# KiCad board plz actually have soldermask.kicad_pcb (continued)
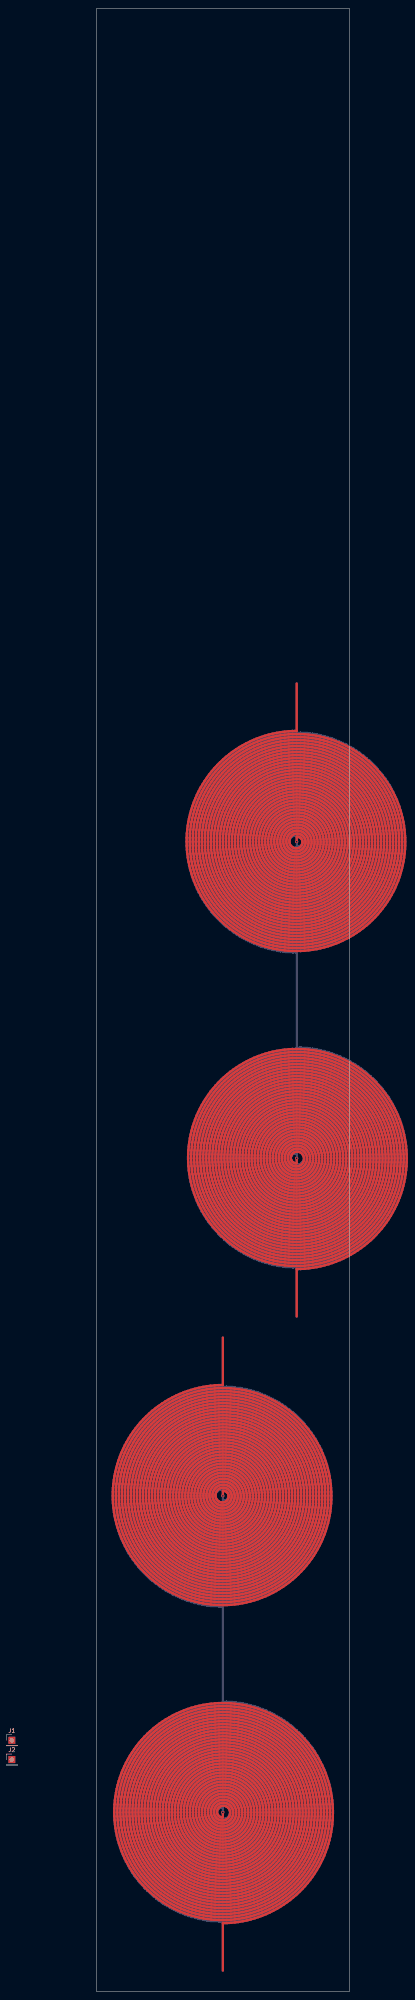
[diagram p0: board, top side]
## Routing (per net, layer and track width the routed paths; a pad name or vN(x,y) marks a point on that pad's centre or on a via; arc(x,y) is an arc through that point) (continued)
52.86,179.92 53.76,180.13 54.65,180.39 55.53,180.68 56.4,181.01 57.25,181.38 58.08,181.79 58.9,182.23 59.7,182.71 60.47,183.22 61.22,183.77 61.95,184.34 62.65,184.95 63.33,185.59 63.98,186.26 64.59,186.96 65.18,187.68 65.73,188.43 66.25,189.2 66.74,189.99 67.19,190.8 67.61,191.64 67.99,192.49 68.33,193.35 68.64,194.24 68.9,195.13 69.13,196.03 69.32,196.95 69.46,197.87 69.57,198.8 69.64,199.73 69.66,200.66 69.65,201.59 69.59,202.53 69.49,203.46 69.36,204.38 69.18,205.3 68.96,206.21 68.7,207.11 68.41,207.99 68.07,208.87 67.7,209.73 67.29,210.57 66.85,211.39 66.36,212.19 65.85,212.98 65.3,213.73 64.72,214.47 64.1,215.18 63.46,215.86 62.78,216.51 62.08,217.13 61.35,217.72 60.6,218.28 59.82,218.81 59.02,219.3 58.2,219.76 57.36,220.18 56.5,220.56 55.63,220.9 54.74,221.21 53.84,221.48 52.93,221.71 52,221.9 51.08,222.04 50.14,222.15 49.2,222.22 48.26,222.24 47.34,222.23 46.43,222.18 45.52,222.08 44.61,221.95 43.71,221.78 42.81,221.58 41.93,221.33 41.06,221.05 40.2,220.73 39.35,220.37 38.52,219.98 37.71,219.55 36.91,219.09 36.14,218.6 35.38,218.07 34.65,217.51 33.95,216.92 33.26,216.31 32.61,215.66 31.98,214.98 31.39,214.28 30.82,213.56 30.28,212.81 29.78,212.04 29.31,211.25 28.87,210.43 28.47,209.6 28.11,208.76 27.78,207.9 27.48,207.02 27.23,206.14 27.01,205.24 26.83,204.33 26.69,203.42 26.58,202.5 26.52,201.58 26.5,200.66 26.51,199.74 26.56,198.81 26.66,197.89 26.79,196.98 26.96,196.07 27.17,195.17 27.42,194.28 27.7,193.4 28.02,192.53 28.38,191.67 28.78,190.84 29.21,190.02 29.67,189.22 30.17,188.43 30.7,187.67 31.27,186.94 31.86,186.23 32.48,185.54 33.14,184.88 33.82,184.25 34.52,183.65 35.25,183.07 36.01,182.53 36.79,182.03 37.59,181.55 38.4,181.11 39.24,180.71 40.09,180.34 40.96,180 41.84,179.71 42.74,179.45 43.64,179.23 44.55,179.05 45.47,178.91 46.4,178.8 47.33,178.74 48.26,178.71 49.19,178.73 50.12,178.78 51.05,178.88 51.97,179.01 52.89,179.18 53.8,179.39 54.7,179.64 55.58,179.93 56.46,180.26 57.32,180.62 58.16,181.02 58.99,181.45 59.8,181.92 60.59,182.42 61.35,182.96 62.1,183.52 62.81,184.12 63.51,184.75 64.17,185.41 64.81,186.1 65.42,186.81 65.99,187.55 66.54,188.31 67.05,189.09 67.53,189.9 67.97,190.72 68.38,191.57 68.75,192.43 69.09,193.3 69.39,194.19 69.65,195.09 69.87,196 70.05,196.92 70.19,197.85 70.3,198.78 70.36,199.72 70.39,200.66 70.37,201.6 70.32,202.54 70.22,203.47 70.09,204.4 69.92,205.33 69.7,206.24 69.45,207.15 69.16,208.04 68.83,208.93 68.47,209.79 68.07,210.65 67.63,211.48 67.16,212.3 66.65,213.09 66.11,213.86 65.54,214.61 64.93,215.33 64.3,216.03 63.64,216.7 62.94,217.34 62.23,217.96 61.48,218.54 60.71,219.09 59.92,219.6 59.11,220.09 58.28,220.53 57.43,220.94 56.56,221.32 55.68,221.66 54.78,221.96 53.87,222.22 52.96,222.45 52.03,222.63 51.09,222.77 50.15,222.88 49.21,222.94 48.26,222.97 47.34,222.96 46.42,222.9 45.5,222.81 44.58,222.68 43.68,222.52 42.78,222.32 41.88,222.07 41,221.8 40.13,221.48 39.28,221.13 38.44,220.75 37.61,220.33 36.81,219.88 36.02,219.39 35.25,218.88 34.51,218.33 33.79,217.75 33.09,217.14 32.42,216.5 31.78,215.83 31.16,215.14 30.57,214.43 30.01,213.69 29.49,212.93 28.99,212.14 28.53,211.34 28.1,210.52 27.71,209.68 27.35,208.82 27.02,207.95 26.74,207.07 26.48,206.17 26.27,205.27 26.09,204.36 25.96,203.44 25.85,202.52 25.79,201.59 25.77,200.66 25.78,199.73 25.84,198.8 25.93,197.88 26.06,196.95 26.22,196.04 26.43,195.13 26.67,194.23 26.95,193.34 27.27,192.47 27.62,191.61 28.01,190.76 28.43,189.93 28.88,189.11 29.37,188.32 29.9,187.55 30.45,186.8 31.03,186.07 31.65,185.37 32.29,184.69 32.96,184.04 33.66,183.42 34.38,182.83 35.13,182.27 35.9,181.73 36.69,181.24 37.5,180.77 38.32,180.34 39.17,179.94 40.03,179.58 40.91,179.25 41.8,178.96 42.7,178.71 43.61,178.49 44.53,178.31 45.46,178.17 46.39,178.07 47.32,178.01 48.26,177.99 49.2,178 50.13,178.05 51.07,178.15 52,178.28 52.92,178.45 53.83,178.65 54.74,178.9 55.63,179.18 56.52,179.5 57.39,179.85 58.24,180.24 59.08,180.67 59.9,181.13 60.7,181.62 61.48,182.15 62.23,182.71 62.97,183.3 63.67,183.92 64.36,184.56 65.01,185.24 65.64,185.94 66.24,186.67 66.8,187.42 67.34,188.2 67.84,188.99 68.31,189.81 68.75,190.65 69.15,191.5 69.51,192.37 69.84,193.25 70.13,194.15 70.39,195.06 70.61,195.97 70.78,196.9 70.93,197.83 71.03,198.77 71.09,199.72 71.12,200.66 71.1,201.6 71.05,202.55 70.95,203.49 70.82,204.42 70.65,205.36 70.44,206.28 70.2,207.19 69.91,208.09 69.59,208.98 69.23,209.86 68.84,210.72 68.41,211.57 67.95,212.39 67.45,213.2 66.92,213.98 66.36,214.74 65.76,215.48 65.14,216.2 64.49,216.89 63.8,217.55 63.1,218.18 62.36,218.78 61.6,219.35 60.82,219.89 60.02,220.4 59.2,220.87 58.35,221.31 57.49,221.71 56.62,222.08 55.73,222.41 54.82,222.71 53.91,222.96 52.98,223.18 52.05,223.36 51.11,223.51 50.16,223.61 49.21,223.67 48.26,223.7 47.33,223.68 46.41,223.63 45.48,223.54 44.56,223.42 43.65,223.25 42.74,223.05 41.84,222.82 40.95,222.55 40.08,222.24 39.21,221.9 38.36,221.52 37.53,221.11 36.71,220.66 35.91,220.19 35.13,219.68 34.38,219.14 33.64,218.57 32.93,217.97 32.24,217.34 31.58,216.68 30.94,216 30.34,215.29 29.76,214.56 29.21,213.81 28.69,213.03 28.2,212.24 27.75,211.42 27.33,210.59 26.94,209.74 26.59,208.88 26.27,208 25.99,207.11 25.74,206.21 25.53,205.3 25.36,204.38 25.22,203.46 25.13,202.53 25.06,201.59 25.04,200.66 25.06,199.72 25.11,198.79 25.2,197.86 25.32,196.93 25.49,196.01 25.69,195.1 25.93,194.19 26.2,193.3 26.51,192.41 26.86,191.54 27.24,190.68 27.65,189.84 28.1,189.02 28.58,188.22 29.09,187.43 29.64,186.67 30.21,185.93 30.82,185.21 31.45,184.51 32.11,183.85 32.8,183.21 33.51,182.6 34.25,182.01 35.01,181.46 35.79,180.94 36.59,180.45 37.41,179.99 38.25,179.57 39.11,179.17 39.98,178.82 40.86,178.5 41.76,178.21 42.67,177.97 43.58,177.76 44.51,177.58 45.44,177.44 46.38,177.34 47.32,177.28 48.26,177.26 49.2,177.27 50.14,177.33 51.08,177.42 52.02,177.54 52.95,177.71 53.87,177.91 54.78,178.15 55.68,178.43 56.57,178.74 57.45,179.09 58.31,179.47 59.16,179.89 59.99,180.34 60.8,180.83 61.59,181.34 62.36,181.89 63.11,182.47 63.83,183.08 64.53,183.72 65.2,184.39 65.85,185.08 66.47,185.8 67.05,186.54 67.61,187.3 68.14,188.09 68.63,188.9 69.09,189.73 69.52,190.57 69.91,191.43 70.27,192.31 70.59,193.2 70.88,194.11 71.13,195.02 71.34,195.95 71.52,196.88 71.66,197.82 71.76,198.76 71.82,199.71 71.84,200.66 71.83,201.61 71.78,202.56 71.68,203.5 71.56,204.45 71.39,205.38 71.18,206.31 70.94,207.23 70.66,208.14 70.35,209.04 70,209.92 69.61,210.79 69.19,211.65 68.74,212.48 68.25,213.3 67.73,214.1 67.17,214.87 66.59,215.62 65.97,216.35 65.33,217.06 64.66,217.73 63.96,218.38 63.24,219.01 62.49,219.6 61.72,220.16 60.93,220.69 60.11,221.19 59.28,221.65 58.43,222.08 57.56,222.48 56.67,222.84 55.77,223.17 54.86,223.45 53.94,223.71 53.01,223.92 52.07,224.1 51.12,224.24 50.17,224.34 49.22,224.4 48.26,224.42 47.33,224.41 46.39,224.36 45.47,224.27 44.54,224.15 43.62,223.99 42.71,223.79 41.8,223.56 40.91,223.3 40.02,222.99 39.15,222.66 38.29,222.29 37.45,221.88 36.62,221.45 35.81,220.98 35.02,220.48 34.25,219.94 33.5,219.38 32.77,218.79 32.07,218.17 31.39,217.53 30.74,216.86 30.11,216.16 29.52,215.44 28.95,214.69 28.41,213.93 27.9,213.14 27.42,212.33 26.97,211.51 26.56,210.66 26.18,209.81 25.83,208.93 25.52,208.05 25.24,207.15 25,206.24 24.8,205.33 24.63,204.4 24.49,203.47 24.4,202.54 24.34,201.6 24.31,200.66 24.33,199.72 24.38,198.78 24.47,197.84 24.59,196.91 24.75,195.98 24.95,195.06 25.18,194.15 25.45,193.25 25.76,192.36 26.1,191.48 26.47,190.61 26.88,189.76 27.32,188.93 27.79,188.12 28.29,187.32 28.83,186.54 29.39,185.79 29.99,185.06 30.61,184.35 31.26,183.66 31.94,183.01 32.64,182.38 33.37,181.77 34.12,181.2 34.89,180.66 35.69,180.14 36.5,179.66 37.33,179.21 38.18,178.79 39.04,178.41 39.92,178.06 40.82,177.75 41.72,177.47 42.63,177.23 43.56,177.02 44.49,176.85 45.43,176.71 46.37,176.62 47.31,176.56 48.26,176.53 49.21,176.55 50.15,176.6 51.1,176.69 52.04,176.81 52.97,176.97 53.9,177.17 54.82,177.41 55.73,177.68 56.63,177.99 57.51,178.33 58.38,178.7 59.24,179.11 60.08,179.56 60.9,180.03 61.7,180.54 62.48,181.08 63.25,181.65 63.98,182.25 64.7,182.88 65.38,183.54 66.05,184.22 66.68,184.93 67.29,185.66 67.87,186.41 68.42,187.19 68.93,187.99 69.42,188.81 69.87,189.65 70.29,190.5 70.68,191.37 71.03,192.26 71.34,193.16 71.63,194.07 71.87,194.99 72.08,195.92 72.25,196.86 72.39,197.8 72.49,198.75 72.55,199.71 72.57,200.66 72.56,201.61 72.5,202.57 72.41,203.52 72.29,204.47 72.12,205.41 71.92,206.34 71.69,207.27 71.41,208.18 71.11,209.09 70.76,209.98 70.38,210.86 69.97,211.72 69.52,212.57 69.04,213.39 68.53,214.2 67.99,214.99 67.41,215.76 66.81,216.5 66.17,217.22 65.51,217.91 64.83,218.58 64.11,219.22 63.37,219.83 62.61,220.41 61.83,220.97 61.02,221.49 60.2,221.98 59.35,222.43 58.49,222.86 57.61,223.24 56.72,223.6 55.82,223.92 54.9,224.2 53.97,224.45 53.03,224.66 52.09,224.83 51.14,224.97 50.18,225.07 49.22,225.13 48.26,225.15 47.32,225.14 46.38,225.09 45.45,225 44.52,224.88 43.59,224.72 42.67,224.53 41.76,224.31 40.86,224.04 39.97,223.75 39.09,223.42 38.22,223.05 37.37,222.66 36.53,222.23 35.71,221.77 34.91,221.27 34.13,220.75 33.37,220.2 32.63,219.62 31.91,219.01 31.22,218.37 30.55,217.71 29.9,217.02 29.29,216.31 28.7,215.57 28.14,214.81 27.61,214.04 27.11,213.24 26.64,212.42 26.2,211.58 25.79,210.73 25.42,209.87 25.08,208.99 24.77,208.09 24.5,207.19 24.26,206.28 24.06,205.35 23.89,204.42 23.76,203.49 23.67,202.55 23.61,201.6 23.59,200.66 23.6,199.71 23.65,198.77 23.74,197.83 23.86,196.89 24.02,195.96 24.21,195.03 24.44,194.11 24.7,193.21 25,192.31 25.33,191.42 25.7,190.55 26.1,189.69 26.53,188.85 27,188.02 27.49,187.21 28.02,186.42 28.58,185.66 29.16,184.91 29.78,184.19 30.42,183.49 31.09,182.82 31.78,182.17 32.5,181.55 33.24,180.95 34,180.39 34.79,179.85 35.59,179.35 36.41,178.88 37.26,178.43 38.11,178.02 38.99,177.65 39.87,177.31 40.77,177 41.68,176.72 42.6,176.49 43.53,176.28 44.47,176.11 45.41,175.98 46.36,175.89 47.31,175.83 48.26,175.81 49.21,175.82 50.16,175.87 51.11,175.96 52.06,176.08 53,176.24 53.93,176.43 54.85,176.66 55.77,176.93 56.67,177.23 57.57,177.57 58.45,177.94 59.31,178.34 60.16,178.77 60.99,179.24 61.81,179.74 62.6,180.27 63.37,180.83 64.12,181.42 64.85,182.04 65.56,182.69 66.24,183.36 66.89,184.06 67.51,184.78 68.11,185.53 68.68,186.3 69.22,187.09 69.73,187.9 70.2,188.73 70.65,189.57 71.06,190.44 71.44,191.32 71.79,192.21 72.1,193.12 72.37,194.03 72.61,194.96 72.82,195.9 72.99,196.84 73.12,197.79 73.21,198.74 73.27,199.7 73.3,200.66 73.28,201.62 73.23,202.58 73.14,203.53 73.02,204.48 72.86,205.43 72.66,206.37 72.43,207.3 72.16,208.22 71.86,209.14 71.52,210.04 71.15,210.92 70.74,211.79 70.31,212.65 69.83,213.49 69.33,214.31 68.8,215.1 68.23,215.88 67.64,216.64 67.01,217.37 66.36,218.08 65.69,218.77 64.98,219.42 64.25,220.05 63.5,220.66 62.73,221.23 61.93,221.77 61.12,222.28 60.28,222.76 59.43,223.21 58.56,223.63 57.67,224.01 56.77,224.36 55.86,224.67 54.93,224.95 54,225.19 53.06,225.39 52.11,225.56 51.15,225.7 50.19,225.8 49.23,225.86 48.26,225.88 47.32,225.86 46.37,225.82 45.44,225.73 44.5,225.61 43.57,225.46 42.64,225.27 41.73,225.05 40.82,224.79 39.92,224.5 39.03,224.18 38.16,223.82 37.3,223.43 36.45,223.01 35.62,222.55 34.81,222.07 34.02,221.55 33.24,221.01 32.49,220.44 31.76,219.84 31.05,219.21 30.36,218.56 29.7,217.88 29.07,217.17 28.46,216.45 27.88,215.7 27.33,214.93 26.81,214.14 26.32,213.33 25.85,212.5 25.42,211.66 25.02,210.8 24.66,209.92 24.32,209.04 24.02,208.14 23.75,207.23 23.52,206.31 23.32,205.38 23.16,204.44 23.03,203.5 22.94,202.56 22.88,201.61 22.86,200.66 22.87,199.71 22.92,198.76 23.01,197.81 23.13,196.87 23.28,195.93 23.47,195 23.7,194.08 23.96,193.16 24.25,192.26 24.58,191.36 24.94,190.48 25.33,189.62 25.75,188.77 26.21,187.93 26.7,187.11 27.22,186.31 27.76,185.53 28.34,184.77 28.95,184.04 29.58,183.32 30.24,182.64 30.92,181.97 31.63,181.33 32.36,180.72 33.11,180.14 33.89,179.58 34.68,179.05 35.5,178.56 36.33,178.09 37.18,177.66 38.05,177.26 38.93,176.89 39.82,176.55 40.73,176.25 41.65,175.98 42.57,175.75 43.51,175.55 44.45,175.38 45.4,175.25 46.35,175.16 47.3,175.1 48.26,175.08 49.22,175.09 50.17,175.14 51.13,175.23 52.08,175.35 53.02,175.5 53.96,175.69 54.89,175.92 55.81,176.18 56.72,176.48 57.62,176.81 58.51,177.17 59.38,177.57 60.24,177.99 61.08,178.45 61.9,178.94 62.71,179.47 63.49,180.02 64.26,180.6 65,181.21 65.72,181.84 66.41,182.51 67.08,183.2 67.73,183.91 68.34,184.65 68.93,185.4 69.49,186.19 70.02,186.99 70.52,187.81 70.99,188.65 71.43,189.5 71.83,190.38 72.2,191.26 72.54,192.16 72.85,193.08 73.12,194 73.35,194.93 73.55,195.87 73.72,196.82 73.85,197.78 73.94,198.74 74,199.7 74.02,200.66 74.01,201.62 73.96,202.59 73.87,203.55 73.75,204.5 73.6,205.45 73.4,206.4 73.17,207.34 72.91,208.26 72.61,209.18 72.28,210.09 71.92,210.98 71.52,211.86 71.09,212.72 70.62,213.57 70.13,214.4 69.6,215.21 69.05,216 68.46,216.77 67.85,217.52 67.21,218.24 66.54,218.94 65.85,219.62 65.13,220.26 64.39,220.88 63.62,221.48 62.84,222.04 62.03,222.57 61.2,223.08 60.36,223.55 59.49,223.99 58.62,224.4 57.72,224.77 56.82,225.11 55.9,225.42 54.97,225.69 54.03,225.93 53.08,226.13 52.12,226.3 51.16,226.43 50.2,226.52 49.23,226.58 48.26,226.61 47.31,226.59 46.37,226.54 45.42,226.46 44.48,226.35 43.54,226.19 42.61,226.01 41.69,225.79 40.78,225.54 39.87,225.25 38.98,224.93 38.09,224.58 37.23,224.2 36.37,223.78 35.53,223.34 34.71,222.86 33.91,222.35 33.12,221.82 32.36,221.26 31.61,220.66 30.89,220.05 30.19,219.4 29.52,218.73 28.86,218.04 28.24,217.32 27.64,216.58 27.07,215.82 26.53,215.04 26.01,214.24 25.53,213.42 25.07,212.58 24.65,211.73 24.26,210.86 23.9,209.98 23.57,209.08 23.27,208.18 23.01,207.26 22.78,206.34 22.59,205.4 22.43,204.46 22.3,203.52 22.21,202.57 22.15,201.61 22.13,200.66 22.15,199.71 22.19,198.75 22.28,197.8 22.39,196.85 22.55,195.91 22.73,194.97 22.95,194.04 23.21,193.12 23.5,192.21 23.82,191.31 24.17,190.42 24.56,189.55 24.98,188.69 25.42,187.84 25.9,187.02 26.41,186.21 26.95,185.42 27.52,184.65 28.12,183.9 28.74,183.17 29.39,182.46 30.06,181.78 30.76,181.13 31.48,180.5 32.23,179.9 32.99,179.32 33.78,178.78 34.59,178.26 35.41,177.77 36.26,177.31 37.11,176.88 37.99,176.49 38.88,176.13 39.78,175.8 40.69,175.5 41.61,175.24 42.55,175.01 43.49,174.81 44.43,174.65 45.38,174.52 46.34,174.43 47.3,174.37 48.26,174.35 49.22,174.36 50.18,174.41 51.14,174.5 52.09,174.62 53.04,174.77 53.99,174.96 54.92,175.18 55.85,175.43 56.77,175.72 57.67,176.05 58.57,176.4 59.45,176.79 60.31,177.21 61.16,177.67 62,178.15 62.81,178.66 63.61,179.21 64.39,179.78 65.14,180.38 65.87,181 66.58,181.66 67.27,182.34 67.93,183.04 68.56,183.77 69.17,184.52 69.75,185.29 70.3,186.08 70.82,186.89 71.31,187.72 71.77,188.57 72.2,189.44 72.6,190.32 72.96,191.21 73.3,192.12 73.59,193.04 73.86,193.97 74.09,194.91 74.29,195.85 74.45,196.81 74.58,197.76 74.67,198.73 74.73,199.69 74.75,200.66 74.74,201.63 74.69,202.59 74.6,203.56 74.48,204.52 74.33,205.48 74.14,206.43 73.92,207.37 73.66,208.3 73.37,209.23 73.04,210.14 72.68,211.04 72.29,211.93 71.87,212.8 71.41,213.65 70.93,214.49 70.41,215.31 69.86,216.12 69.29,216.9 68.68,217.66 68.05,218.39 67.39,219.11 66.71,219.8 66,220.46 65.27,221.1 64.51,221.71 63.74,222.29 62.94,222.85 62.12,223.37 61.28,223.87 60.43,224.33 59.56,224.76 58.67,225.16 57.77,225.53 56.86,225.87 55.93,226.17 55,226.44 54.05,226.67 53.1,226.87 52.14,227.03 51.18,227.16 50.21,227.25 49.23,227.31 48.26,227.33 48.26,250.19 47.29,250.21 46.31,250.27 45.34,250.36 44.38,250.49 43.42,250.65 42.47,250.85 41.52,251.08 40.59,251.35 39.66,251.65 38.75,251.99 37.85,252.36 36.96,252.76 36.09,253.19 35.24,253.65 34.4,254.15 33.58,254.67 32.78,255.23 32.01,255.81 31.25,256.42 30.52,257.06 29.81,257.72 29.13,258.41 28.47,259.13 27.84,259.86 27.23,260.62 26.66,261.4 26.11,262.21 25.59,263.03 25.11,263.87 24.65,264.72 24.23,265.59 23.84,266.48 23.48,267.38 23.15,268.29 22.86,269.22 22.6,270.15 22.38,271.09 22.19,272.04 22.04,273 21.92,273.96 21.83,274.93 21.78,275.89 21.77,276.86 21.79,277.83 21.85,278.79 21.94,279.76 22.07,280.71 22.23,281.67 22.43,282.61 22.66,283.55 22.93,284.48 23.22,285.4 23.56,286.31 23.92,287.2 24.32,288.08 24.75,288.95 25.21,289.8 25.7,290.63 26.22,291.44 26.77,292.23 27.35,293 27.96,293.75 28.59,294.48 29.25,295.18 29.94,295.86 30.65,296.52 31.38,297.14 32.13,297.74 32.91,298.31 33.71,298.86 34.52,299.37 35.36,299.85 36.21,300.31 37.07,300.73 37.95,301.12 38.85,301.47 39.75,301.8 40.67,302.09 41.6,302.34 42.53,302.56 43.48,302.75 44.43,302.9 45.38,303.02 46.34,303.11 47.3,303.16 48.26,303.17 49.22,303.15 50.18,303.09 51.14,303 52.09,302.87 53.03,302.71 53.97,302.51 54.91,302.28 55.83,302.02 56.74,301.72 57.64,301.39 58.53,301.03 59.41,300.64 60.26,300.21 61.11,299.75 61.93,299.26 62.74,298.74 63.53,298.2 64.29,297.62 65.04,297.02 65.76,296.39 66.46,295.74 67.13,295.06 67.78,294.35 68.4,293.62 69,292.87 69.57,292.1 70.11,291.31 70.62,290.5 71.1,289.68 71.54,288.83 71.96,287.97 72.35,287.1 72.7,286.21 73.02,285.31 73.31,284.4 73.57,283.48 73.79,282.55 73.97,281.61 74.13,280.67 74.24,279.72 74.33,278.77 74.37,277.81 74.39,276.86 74.37,275.91 74.31,274.95 74.22,274 74.09,273.06 73.93,272.12 73.74,271.18 73.51,270.26 73.25,269.34 72.95,268.44 72.62,267.54 72.26,266.66 71.87,265.79 71.45,264.94 70.99,264.1 70.51,263.28 69.99,262.48 69.45,261.7 68.88,260.94 68.28,260.2 67.66,259.48 67,258.79 66.33,258.12 65.63,257.47 64.91,256.86 64.16,256.26 63.4,255.7 62.61,255.17 61.81,254.66 60.99,254.18 60.15,253.74 59.29,253.32 58.43,252.94 57.54,252.59 56.65,252.27 55.74,251.98 54.83,251.73 53.91,251.51 52.98,251.33 52.04,251.17 51.1,251.06 50.15,250.98 49.21,250.93 48.26,250.92 47.29,250.94 46.32,251 45.36,251.09 44.4,251.22 43.44,251.39 42.49,251.59 41.55,251.83 40.62,252.1 39.7,252.41 38.8,252.75 37.9,253.12 37.03,253.53 36.16,253.97 35.32,254.44 34.49,254.95 33.68,255.48 32.9,256.04 32.13,256.64 31.39,257.26 30.67,257.9 29.98,258.58 29.31,259.28 28.67,260 28.06,260.75 27.47,261.52 26.92,262.31 26.39,263.12 25.9,263.95 25.43,264.8 25,265.66 24.6,266.54 24.24,267.43 23.91,268.34 23.61,269.26 23.35,270.18 23.12,271.12 22.92,272.07 22.77,273.02 22.65,273.97 22.56,274.93 22.51,275.9 22.5,276.86 22.52,277.82 22.58,278.78 22.67,279.74 22.8,280.7 22.97,281.65 23.17,282.59 23.4,283.52 23.67,284.44 23.98,285.36 24.32,286.26 24.69,287.14 25.09,288.02 25.53,288.87 26,289.71 26.5,290.53 27.03,291.33 27.59,292.12 28.18,292.87 28.79,293.61 29.44,294.32 30.11,295.01 30.8,295.68 31.52,296.31 32.26,296.92 33.03,297.5 33.81,298.05 34.62,298.58 35.44,299.07 36.28,299.53 37.14,299.95 38.01,300.35 38.9,300.71 39.8,301.04 40.71,301.34 41.63,301.6 42.56,301.83 43.5,302.02 44.44,302.17 45.39,302.29 46.35,302.38 47.3,302.43 48.26,302.44 49.22,302.42 50.17,302.36 51.12,302.27 52.07,302.14 53.01,301.97 53.95,301.77 54.87,301.54 55.79,301.27 56.7,300.97 57.59,300.63 58.47,300.26 59.34,299.86 60.19,299.43 61.02,298.96 61.84,298.47 62.63,297.94 63.41,297.38 64.16,296.8 64.89,296.19 65.6,295.55 66.28,294.88 66.94,294.2 67.57,293.48 68.18,292.75 68.76,291.99 69.3,291.21 69.82,290.41 70.31,289.59 70.77,288.75 71.19,287.9 71.58,287.04 71.94,286.16 72.27,285.26 72.56,284.36 72.82,283.44 73.05,282.52 73.24,281.59 73.39,280.65 73.51,279.71 73.6,278.76 73.65,277.81 73.66,276.86 73.64,275.91 73.58,274.96 73.49,274.02 73.36,273.08 73.2,272.14 73,271.21 72.77,270.29 72.5,269.38 72.2,268.48 71.86,267.6 71.5,266.72 71.1,265.86 70.67,265.02 70.2,264.19 69.71,263.38 69.19,262.59 68.64,261.82 68.06,261.07 67.45,260.35 66.82,259.64 66.16,258.96 65.47,258.31 64.76,257.68 64.03,257.08 63.28,256.51 62.5,255.97 61.71,255.45 60.9,254.97 60.07,254.51 59.22,254.09 58.36,253.7 57.49,253.34 56.6,253.02 55.7,252.73 54.79,252.47 53.88,252.25 52.95,252.06 52.02,251.91 51.08,251.79 50.15,251.7 49.2,251.66 48.26,251.64 47.29,251.66 46.33,251.72 45.37,251.82 44.41,251.96 43.46,252.13 42.52,252.33 41.59,252.57 40.66,252.85 39.75,253.16 38.85,253.51 37.96,253.89 37.09,254.31 36.24,254.76 35.4,255.24 34.59,255.75 33.79,256.29 33.02,256.86 32.27,257.47 31.54,258.1 30.83,258.75 30.16,259.44 29.51,260.15 28.88,260.88 28.29,261.64 27.72,262.42 27.19,263.21 26.69,264.03 26.21,264.87 25.78,265.73 25.37,266.6 25,267.48 24.66,268.38 24.36,269.3 24.09,270.22 23.86,271.15 23.66,272.09 23.5,273.04 23.38,273.99 23.29,274.94 23.24,275.9 23.22,276.86 23.25,277.82 23.31,278.78 23.4,279.73 23.53,280.68 23.7,281.62 23.91,282.56 24.15,283.49 24.42,284.4 24.73,285.31 25.08,286.2 25.46,287.08 25.87,287.95 26.32,288.79 26.79,289.62 27.3,290.43 27.84,291.22 28.41,291.99 29.01,292.74 29.63,293.46 30.28,294.16 30.96,294.83 31.67,295.48 32.4,296.1 33.15,296.69 33.92,297.25 34.71,297.78 35.53,298.28 36.36,298.75 37.21,299.18 38.07,299.58 38.95,299.95 39.85,300.29 40.75,300.59 41.67,300.86 42.59,301.09 43.52,301.28 44.46,301.44 45.41,301.56 46.36,301.65 47.31,301.7 48.26,301.71 49.21,301.69 50.16,301.63 51.11,301.54 52.05,301.41 52.99,301.24 53.92,301.03 54.84,300.8 55.75,300.52 56.65,300.21 57.53,299.87 58.41,299.5 59.26,299.09 60.11,298.64 60.93,298.17 61.73,297.67 62.52,297.13 63.28,296.57 64.02,295.97 64.74,295.35 65.43,294.7 66.1,294.03 66.74,293.33 67.36,292.61 67.94,291.86 68.5,291.1 69.03,290.31 69.52,289.5 69.99,288.67 70.42,287.83 70.82,286.97 71.19,286.1 71.52,285.21 71.82,284.31 72.08,283.41 72.31,282.49 72.5,281.56 72.66,280.63 72.78,279.69 72.87,278.75 72.92,277.81 72.93,276.86 72.91,275.92 72.85,274.97 72.76,274.03 72.63,273.1 72.46,272.17 72.26,271.24 72.02,270.33 71.75,269.43 71.44,268.53 71.1,267.65 70.73,266.79 70.32,265.94 69.88,265.1 69.41,264.28 68.91,263.48 68.38,262.71 67.82,261.95 67.23,261.21 66.62,260.5 65.97,259.81 65.3,259.15 64.61,258.51 63.89,257.9 63.15,257.32 62.39,256.77 61.61,256.25 60.81,255.75 59.99,255.29 59.15,254.86 58.3,254.47 57.43,254.1 56.55,253.77 55.66,253.48 54.76,253.21 53.85,252.99 52.93,252.8 52,252.64 51.07,252.52 50.14,252.43 49.2,252.38 48.26,252.37 47.3,252.39 46.34,252.45 45.38,252.55 44.43,252.69 43.49,252.86 42.55,253.07 41.62,253.32 40.7,253.6 39.8,253.92 38.91,254.28 38.03,254.66 37.17,255.09 36.32,255.54 35.5,256.03 34.69,256.55 33.91,257.11 33.15,257.69 32.41,258.3 31.69,258.94 31.01,259.61 30.35,260.3 29.71,261.02 29.11,261.76 28.53,262.53 27.99,263.32 27.48,264.13 27,264.95 26.55,265.8 26.14,266.66 25.76,267.54 25.41,268.43 25.11,269.34 24.83,270.25 24.6,271.18 24.4,272.11 24.23,273.05 24.11,274 24.02,274.95 23.96,275.91 23.95,276.86 23.97,277.81 24.03,278.77 24.13,279.72 24.27,280.66 24.44,281.6 24.65,282.53 24.89,283.45 25.18,284.36 25.49,285.26 25.84,286.15 26.23,287.02 26.65,287.87 27.1,288.71 27.59,289.53 28.1,290.33 28.65,291.11 29.23,291.86 29.84,292.59 30.47,293.3 31.14,293.98 31.82,294.64 32.54,295.27 33.27,295.87 34.04,296.44 34.82,296.98 35.62,297.49 36.44,297.96 37.28,298.41 38.14,298.82 39.01,299.19 39.89,299.53 40.79,299.84 41.7,300.11 42.62,300.35 43.55,300.55 44.48,300.71 45.42,300.83 46.37,300.92 47.31,300.97 48.26,300.99 49.21,300.96 50.15,300.9 51.09,300.81 52.03,300.67 52.96,300.5 53.89,300.29 54.8,300.05 55.7,299.77 56.6,299.46 57.48,299.11 58.34,298.73 59.19,298.31 60.02,297.86 60.83,297.38 61.63,296.86 62.4,296.32 63.15,295.75 63.88,295.14 64.58,294.51 65.26,293.86 65.91,293.17 66.53,292.46 67.13,291.73 67.69,290.98 68.23,290.2 68.73,289.4 69.2,288.59 69.64,287.76 70.05,286.91 70.42,286.04 70.76,285.16 71.07,284.27 71.34,283.37 71.57,282.46 71.77,281.54 71.93,280.61 72.05,279.68 72.14,278.74 72.19,277.8 72.21,276.86 72.18,275.92 72.12,274.98 72.03,274.05 71.89,273.12 71.72,272.19 71.52,271.28 71.28,270.37 71,269.47 70.69,268.59 70.34,267.71 69.96,266.86 69.55,266.01 69.1,265.19 68.62,264.38 68.11,263.59 67.57,262.83 67,262.08 66.41,261.36 65.78,260.66 65.13,259.99 64.45,259.35 63.75,258.73 63.02,258.14 62.27,257.58 61.5,257.04 60.71,256.54 59.9,256.07 59.07,255.64 58.23,255.23 57.37,254.86 56.5,254.53 55.61,254.22 54.72,253.96 53.81,253.73 52.9,253.53 51.98,253.37 51.05,253.25 50.13,253.16 49.19,253.11 48.26,253.1 47.3,253.12 46.35,253.18 45.4,253.28 44.45,253.42 43.51,253.6 42.58,253.81 41.66,254.07 40.75,254.35 39.85,254.68 38.96,255.04 38.09,255.44 37.24,255.87 36.41,256.33 35.59,256.83 34.8,257.36 34.03,257.92 33.28,258.51 32.56,259.14 31.86,259.79 31.19,260.46 30.55,261.17 29.93,261.9 29.35,262.65 28.79,263.42 28.27,264.22 27.78,265.04 27.33,265.87 26.91,266.73 26.52,267.6 26.17,268.48 25.86,269.38 25.58,270.29 25.34,271.21 25.13,272.14 24.96,273.07 24.84,274.02 24.74,274.96 24.69,275.91 24.68,276.86 24.7,277.81 24.76,278.76 24.86,279.7 25,280.64 25.18,281.57 25.39,282.5 25.64,283.41 25.93,284.32 26.25,285.21 26.61,286.09 27,286.95 27.43,287.79 27.89,288.62 28.38,289.43 28.91,290.22 29.47,290.98 30.05,291.72 30.67,292.44 31.32,293.13 31.99,293.8 32.69,294.44 33.41,295.05 34.16,295.63 34.93,296.18 35.72,296.69 36.53,297.18 37.36,297.63 38.21,298.05 39.07,298.43 39.95,298.78 40.84,299.09 41.74,299.37 42.65,299.61 43.57,299.81 44.5,299.98 45.44,300.1 46.38,300.19 47.32,300.25 48.26,300.26 49.2,300.24 50.14,300.18 51.08,300.08 52.01,299.94 52.94,299.76 53.85,299.55 54.76,299.31 55.66,299.02 56.54,298.7 57.41,298.35 58.27,297.95 59.11,297.53 59.93,297.07 60.73,296.58 61.51,296.06 62.27,295.51 63.01,294.92 63.72,294.31 64.41,293.67 65.07,293.01 65.7,292.31 66.31,291.59 66.88,290.85 67.43,290.09 67.94,289.3 68.42,288.5 68.87,287.68 69.28,286.84 69.66,285.98 70.01,285.11 70.32,284.22 70.59,283.33 70.83,282.42 71.03,281.51 71.2,280.59 71.32,279.66 71.41,278.73 71.46,277.8 71.48,276.86 71.46,275.93 71.39,274.99 71.3,274.06 71.16,273.14 70.99,272.22 70.78,271.31 70.53,270.41 70.25,269.52 69.93,268.64 69.58,267.78 69.19,266.93 68.77,266.1 68.32,265.28 67.83,264.49 67.31,263.71 66.76,262.96 66.18,262.23 65.58,261.52 64.94,260.84 64.28,260.18 63.59,259.55 62.88,258.95 62.14,258.38 61.39,257.84 60.61,257.33 59.81,256.86 58.99,256.41 58.16,256 57.31,255.62 56.44,255.28 55.57,254.97 54.68,254.7 53.78,254.47 52.87,254.27 51.96,254.1 51.04,253.98 50.11,253.89 49.19,253.84 48.26,253.82 47.31,253.85 46.36,253.91 45.41,254.01 44.47,254.16 43.54,254.34 42.61,254.56 41.7,254.81 40.79,255.11 39.9,255.44 39.03,255.81 38.17,256.21 37.32,256.65 36.5,257.12 35.7,257.63 34.92,258.17 34.16,258.74 33.42,259.34 32.72,259.97 32.03,260.63 31.38,261.32 30.76,262.04 30.16,262.78 29.6,263.54 29.07,264.32 28.57,265.13 28.11,265.95 27.68,266.8 27.29,267.66 26.93,268.54 26.61,269.43 26.32,270.33 26.08,271.24 25.87,272.16 25.7,273.1 25.57,274.03 25.47,274.97 25.42,275.92 25.4,276.86 25.43,277.8 25.49,278.75 25.59,279.69 25.74,280.62 25.91,281.55 26.13,282.46 26.39,283.37 26.68,284.27 27.01,285.15 27.37,286.02 27.77,286.87 28.21,287.71 28.68,288.53 29.18,289.32 29.72,290.1 30.28,290.85 30.88,291.58 31.51,292.28 32.16,292.96 32.85,293.6 33.55,294.22 34.29,294.81 35.04,295.37 35.82,295.9 36.62,296.39 37.44,296.85 38.28,297.28 39.13,297.67 40,298.02 40.89,298.34 41.78,298.62 42.69,298.87 43.6,299.07 44.52,299.24 45.45,299.37 46.39,299.47 47.32,299.52 48.26,299.53 49.2,299.51 50.13,299.45 51.06,299.35 51.99,299.21 52.91,299.03 53.82,298.81 54.72,298.56 55.61,298.27 56.49,297.94 57.35,297.58 58.2,297.18 59.02,296.75 59.83,296.28 60.62,295.79 61.39,295.25 62.14,294.69 62.86,294.1 63.56,293.48 64.23,292.83 64.87,292.15 65.49,291.45 66.07,290.72 66.62,289.97 67.15,289.2 67.64,288.41 68.09,287.59 68.51,286.76 68.9,285.91 69.25,285.05 69.57,284.18 69.85,283.29 70.09,282.39 70.3,281.48 70.46,280.57 70.59,279.64 70.68,278.72 70.74,277.79 70.75,276.86 70.73,275.93 70.67,275 70.56,274.08 70.43,273.16 70.25,272.25 70.04,271.35 69.78,270.45 69.5,269.57 69.17,268.7 68.81,267.84 68.42,267 67.99,266.18 67.53,265.38 67.03,264.59 66.51,263.83 65.95,263.09 65.36,262.38 64.74,261.69 64.1,261.02 63.43,260.38 62.73,259.77 62.01,259.19 61.27,258.64 60.5,258.13 59.71,257.64 58.91,257.19 58.08,256.77 57.24,256.39 56.39,256.04 55.52,255.72 54.64,255.45 53.74,255.2 52.84,255 51.94,254.84 51.02,254.71 50.1,254.62 49.18,254.56 48.26,254.55 47.31,254.58 46.37,254.64 45.43,254.75 44.49,254.89 43.56,255.07 42.65,255.3 41.74,255.56 40.84,255.86 39.96,256.2 39.09,256.58 38.24,256.99 37.41,257.43 36.6,257.92 35.81,258.43 35.04,258.98 34.29,259.56 33.58,260.18 32.88,260.82 32.22,261.49 31.59,262.19 30.98,262.91 30.41,263.66 29.87,264.43 29.36,265.22 28.89,266.04 28.45,266.87 28.05,267.73 27.69,268.59 27.36,269.48 27.07,270.37 26.82,271.28 26.6,272.19 26.43,273.12 26.3,274.05 26.2,274.98 26.15,275.92 26.13,276.86 26.16,277.8 26.22,278.74 26.33,279.67 26.47,280.6 26.65,281.52 26.87,282.43 27.13,283.33 27.43,284.22 27.77,285.09 28.14,285.95 28.55,286.8 28.99,287.62 29.47,288.43 29.98,289.21 30.53,289.97 31.1,290.71 31.71,291.42 32.35,292.11 33.01,292.77 33.71,293.4 34.42,294 35.17,294.56 35.93,295.1 36.72,295.6 37.53,296.07 38.36,296.5 39.2,296.9 40.06,297.26 40.94,297.59 41.82,297.88 42.72,298.13 43.63,298.34 44.55,298.51 45.47,298.64 46.4,298.74 47.33,298.79 48.26,298.81 49.19,298.78 50.12,298.72 51.05,298.61 51.97,298.47 52.88,298.29 53.78,298.07 54.68,297.81 55.56,297.52 56.43,297.18 57.28,296.81 58.12,296.41 58.93,295.97 59.73,295.49 60.51,294.99 61.27,294.45 62,293.87 62.7,293.27 63.38,292.64 64.04,291.98 64.66,291.29 65.25,290.58 65.82,289.85 66.35,289.09 66.85,288.3 67.31,287.5 67.74,286.68 68.14,285.85 68.5,284.99 68.82,284.12 69.1,283.24 69.35,282.35 69.56,281.45 69.73,280.54 69.86,279.63 69.96,278.71 70.01,277.78 70.02,276.86 70,275.94 69.94,275.02 69.83,274.1 69.69,273.19 69.51,272.28 69.29,271.38 69.04,270.5 68.74,269.62 68.41,268.76 68.05,267.92 67.65,267.09 67.21,266.27 66.74,265.48 66.24,264.71 65.7,263.96 65.13,263.24 64.54,262.54 63.91,261.86 63.26,261.21 62.57,260.6 61.87,260.01 61.14,259.45 60.38,258.92 59.61,258.43 58.81,257.97 58,257.54 57.17,257.15 56.32,256.79 55.46,256.47 54.59,256.19 53.71,255.94 52.81,255.74 51.91,255.57 51,255.44 50.09,255.34 49.18,255.29 48.26,255.28 47.32,255.3 46.38,255.37 45.44,255.48 44.52,255.62 43.59,255.81 42.68,256.04 41.78,256.31 40.89,256.62 40.02,256.96 39.16,257.34 38.32,257.76 37.5,258.22 36.7,258.71 35.92,259.24 35.17,259.8 34.44,260.39 33.74,261.01 33.06,261.66 32.42,262.34 31.8,263.05 31.22,263.79 30.67,264.54 30.16,265.33 29.67,266.13 29.23,266.95 28.82,267.79 28.45,268.65 28.11,269.53 27.82,270.41 27.56,271.31 27.34,272.22 27.16,273.14 27.03,274.06 26.93,274.99 26.87,275.93 26.86,276.86 26.88,277.79 26.95,278.72 27.06,279.65 27.2,280.57 27.39,281.49 27.62,282.39 27.88,283.28 28.19,284.17 28.53,285.03 28.91,285.88 29.33,286.72 29.78,287.53 30.27,288.32 30.79,289.09 31.34,289.84 31.93,290.56 32.54,291.26 33.19,291.93 33.87,292.57 34.57,293.18 35.3,293.75 36.05,294.3 36.82,294.81 37.62,295.29 38.44,295.73 39.27,296.14 40.12,296.51 40.99,296.84 41.87,297.13 42.76,297.39 43.66,297.6 44.57,297.78 45.49,297.91 46.41,298.01 47.33,298.06 48.26,298.08 49.19,298.05 50.11,297.99 51.03,297.88 51.94,297.74 52.85,297.55 53.74,297.33 54.63,297.06 55.5,296.76 56.36,296.42 57.21,296.05 58.03,295.63 58.84,295.18 59.63,294.7 60.39,294.18 61.13,293.63 61.85,293.05 62.54,292.44 63.2,291.8 63.83,291.13 64.44,290.43 65.01,289.71 65.55,288.97 66.06,288.2 66.53,287.41 66.97,286.6 67.37,285.77 67.74,284.93 68.07,284.07 68.36,283.2 68.61,282.31 68.82,281.42 69,280.52 69.13,279.61 69.23,278.69 69.28,277.78 69.3,276.86 69.27,275.94 69.21,275.03 69.1,274.12 68.96,273.21 68.77,272.31 68.55,271.42 68.29,270.54 67.99,269.68 67.65,268.83 67.28,267.99 66.87,267.17 66.43,266.37 65.95,265.59 65.44,264.83 64.89,264.1 64.31,263.39 63.71,262.71 63.07,262.05 62.41,261.42 61.72,260.82 61,260.25 60.26,259.72 59.5,259.21 58.72,258.75 57.92,258.31 57.1,257.91 56.26,257.55 55.41,257.22 54.54,256.94 53.67,256.69 52.78,256.47 51.89,256.3 50.98,256.17 50.08,256.07 49.17,256.02 48.26,256 47.32,256.03 46.39,256.1 45.46,256.21 44.54,256.36 43.62,256.55 42.72,256.79 41.83,257.06 40.95,257.37 40.08,257.73 39.23,258.12 38.4,258.54 37.59,259.01 36.81,259.51 36.04,260.05 35.31,260.62 34.59,261.22 33.91,261.85 33.25,262.51 32.63,263.2 32.04,263.92 31.48,264.67 30.95,265.43 30.46,266.22 30,267.04 29.59,267.87 29.21,268.72 28.87,269.58 28.56,270.46 28.3,271.35 28.08,272.25 27.9,273.16 27.76,274.08 27.66,275.01 27.6,275.93 27.59,276.86 27.61,277.79 27.68,278.71 27.79,279.63 27.94,280.55 28.13,281.45 28.36,282.35 28.63,283.24 28.94,284.11 29.29,284.97 29.68,285.81 30.1,286.63 30.57,287.43 31.06,288.21 31.59,288.97 32.16,289.7 32.75,290.41 33.38,291.09 34.04,291.74 34.72,292.35 35.43,292.94 36.17,293.5 36.93,294.02 37.72,294.51 38.52,294.96 39.35,295.37 40.19,295.75 41.04,296.08 41.92,296.38 42.8,296.64 43.69,296.86 44.6,297.04 45.51,297.18 46.42,297.28 47.34,297.34 48.26,297.35 49.18,297.33 50.1,297.26 51.01,297.15 51.92,297 52.81,296.81 53.7,296.58 54.58,296.31 55.45,296.01 56.3,295.66 57.13,295.28 57.94,294.86 58.74,294.4 59.51,293.91 60.26,293.38 60.99,292.82 61.69,292.23 62.36,291.61 63,290.96 63.62,290.28 64.2,289.57 64.75,288.84 65.27,288.09 65.75,287.31 66.2,286.51 66.61,285.7 66.98,284.86 67.31,284.01 67.61,283.15 67.87,282.27 68.09,281.39 68.26,280.49 68.4,279.59 68.5,278.68 68.56,277.77 68.57,276.86 68.55,275.95 68.48,275.04 68.37,274.14 68.22,273.24 68.04,272.35 67.81,271.46 67.54,270.59 67.24,269.74 66.89,268.9 66.51,268.07 66.1,267.26 65.64,266.47 65.15,265.71 64.63,264.96 64.08,264.25 63.49,263.55 62.88,262.89 62.23,262.25 61.56,261.64 60.86,261.06 60.13,260.52 59.39,260 58.62,259.53 57.83,259.08 57.02,258.68 56.19,258.31 55.35,257.98 54.49,257.68 53.62,257.43 52.74,257.21 51.86,257.03 50.96,256.9 50.07,256.8 49.16,256.75 48.26,256.73 47.33,256.76 46.4,256.83 45.48,256.94 44.57,257.09 43.66,257.29 42.76,257.53 41.88,257.81 41,258.13 40.15,258.49 39.31,258.89 38.49,259.33 37.7,259.8 36.92,260.31 36.17,260.86 35.45,261.44 34.76,262.05 34.09,262.69 33.46,263.36 32.85,264.07 32.28,264.79 31.75,265.55 31.25,266.33 30.78,267.12 30.36,267.94 29.97,268.78 29.62,269.64 29.31,270.51 29.04,271.39 28.82,272.29 28.63,273.19 28.49,274.1 28.39,275.02 28.33,275.94 28.31,276.86 28.34,277.78 28.41,278.7 28.52,279.61 28.67,280.52 28.87,281.42 29.11,282.31 29.38,283.19 29.7,284.05 30.06,284.9 30.45,285.73 30.89,286.54 31.36,287.33 31.86,288.09 32.4,288.84 32.98,289.55 33.58,290.24 34.22,290.9 34.89,291.53 35.58,292.13 36.3,292.69 37.05,293.22 37.82,293.72 38.61,294.18 39.43,294.6 40.26,294.99 41.1,295.33 41.97,295.64 42.84,295.9 43.73,296.13 44.62,296.31 45.53,296.45 46.44,296.55 47.35,296.61 48.26,296.63 49.17,296.6 50.08,296.53 50.99,296.42 51.89,296.27 52.78,296.07 53.66,295.84 54.53,295.57 55.38,295.25 56.22,294.9 57.05,294.51 57.85,294.08 58.63,293.61 59.39,293.11 60.13,292.57 60.84,292 61.52,291.4 62.17,290.77 62.8,290.11 63.39,289.42 63.95,288.71 64.47,287.97 64.96,287.2 65.42,286.42 65.84,285.61 66.22,284.79 66.56,283.95 66.86,283.1 67.13,282.23 67.35,281.35 67.53,280.46 67.67,279.57 67.77,278.67 67.83,277.76 67.84,276.86 67.82,275.96 67.75,275.05 67.64,274.16 67.49,273.27 67.3,272.38 67.07,271.51 66.79,270.65 66.48,269.8 66.13,268.97 65.74,268.15 65.32,267.36 64.86,266.58 64.36,265.83 63.83,265.1 63.26,264.4 62.67,263.72 62.04,263.08 61.39,262.46 60.71,261.87 60,261.32 59.26,260.8 58.51,260.31 57.73,259.86 56.93,259.44 56.12,259.07 55.28,258.73 54.44,258.43 53.58,258.17 52.71,257.95 51.83,257.77 50.94,257.63 50.05,257.53 49.16,257.47 48.26,257.46 47.34,257.49 46.42,257.56 45.5,257.67 44.59,257.83 43.69,258.03 42.8,258.28 41.93,258.56 41.07,258.89 40.22,259.26 39.39,259.66 38.59,260.11 37.81,260.59 37.05,261.11 36.31,261.67 35.61,262.26 34.93,262.88 34.29,263.54 33.67,264.22 33.09,264.93 32.55,265.67 32.04,266.43 31.56,267.22 31.13,268.03 30.73,268.86 30.38,269.7 30.06,270.56 29.79,271.44 29.55,272.32 29.37,273.22 29.22,274.12 29.12,275.03 29.06,275.95 29.04,276.86 29.07,277.77 29.14,278.69 29.25,279.59 29.41,280.49 29.61,281.38 29.85,282.27 30.13,283.13 30.46,283.99 30.82,284.82 31.23,285.64 31.67,286.44 32.15,287.22 32.66,287.97 33.21,288.69 33.8,289.39 34.41,290.06 35.06,290.7 35.74,291.31 36.44,291.89 37.18,292.43 37.93,292.93 38.71,293.4 39.51,293.83 40.33,294.22 41.17,294.58 42.02,294.89 42.89,295.16 43.77,295.39 44.65,295.58 45.55,295.72 46.45,295.82 47.35,295.88 48.26,295.9 49.17,295.87 50.07,295.8 50.97,295.69 51.86,295.53 52.74,295.34 53.61,295.1 54.47,294.81 55.32,294.49 56.15,294.13 56.96,293.73 57.75,293.3 58.52,292.82 59.26,292.31 59.98,291.76 60.67,291.19 61.34,290.58 61.97,289.93 62.57,289.26 63.14,288.56 63.68,287.84 64.18,287.09 64.64,286.32 65.07,285.53 65.46,284.71 65.81,283.88 66.12,283.04 66.38,282.18 66.61,281.31 66.8,280.43 66.94,279.55 67.04,278.65 67.1,277.76 67.12,276.86 67.09,275.96 67.02,275.07 66.91,274.18 66.75,273.3 66.56,272.42 66.32,271.56 66.04,270.71 65.73,269.87 65.37,269.05 64.97,268.24 64.54,267.46 64.07,266.7 63.56,265.96 63.02,265.25 62.45,264.57 61.84,263.91 61.21,263.28 60.54,262.68 59.85,262.12 59.13,261.59 58.39,261.09 57.63,260.63 56.84,260.21 56.04,259.83 55.22,259.48 54.38,259.18 53.53,258.91 52.67,258.68 51.8,258.5 50.92,258.36 50.04,258.26 49.15,258.2 48.26,258.19 47.34,258.21 46.43,258.29 45.52,258.4 44.62,258.57 43.73,258.77 42.85,259.02 41.98,259.31 41.13,259.65 40.3,260.02 39.48,260.44 38.69,260.9 37.92,261.39 37.18,261.92 36.46,262.49 35.78,263.09 35.12,263.72 34.49,264.38 33.9,265.08 33.35,265.8 32.83,266.55 32.34,267.32 31.9,268.12 31.5,268.93 31.13,269.77 30.81,270.62 30.53,271.48 30.29,272.36 30.1,273.25 29.95,274.14 29.84,275.05 29.78,275.95 29.77,276.86 29.79,277.77 29.87,278.67 29.98,279.57 30.14,280.46 30.35,281.35 30.6,282.22 30.89,283.08 31.22,283.92 31.59,284.75 32,285.55 32.45,286.34 32.94,287.1 33.47,287.83 34.03,288.54 34.62,289.22 35.25,289.87 35.91,290.49 36.59,291.08 37.31,291.63 38.05,292.14 38.81,292.62 39.6,293.06 40.41,293.46 41.24,293.82 42.08,294.14 42.93,294.42 43.8,294.65 44.68,294.84 45.57,294.99 46.46,295.09 47.36,295.16 48.26,295.17 49.16,295.14 50.05,295.07 50.94,294.96 51.83,294.8 52.7,294.6 53.57,294.35 54.42,294.06 55.25,293.74 56.07,293.37 56.87,292.96 57.64,292.51 58.4,292.03 59.12,291.51 59.83,290.95 60.5,290.36 61.14,289.74 61.76,289.09 62.34,288.41 62.88,287.7 63.39,286.97 63.86,286.21 64.3,285.43 64.7,284.63 65.05,283.82 65.37,282.98 65.64,282.13 65.87,281.27 66.06,280.4 66.21,279.52 66.31,278.64 66.37,277.75 66.39,276.86 66.36,275.97 66.29,275.08 66.18,274.2 66.02,273.33 65.82,272.46 65.58,271.61 65.29,270.77 64.97,269.94 64.6,269.13 64.2,268.34 63.76,267.57 63.28,266.83 62.76,266.1 62.21,265.41 61.63,264.74 61.02,264.1 60.37,263.5 59.7,262.92 59,262.38 58.27,261.88 57.52,261.41 56.75,260.98 55.96,260.59 55.15,260.24 54.32,259.92 53.48,259.65 52.63,259.42 51.77,259.23 50.9,259.09 50.02,258.99 49.14,258.93 48.26,258.91 47.35,258.94 46.45,259.02 45.54,259.14 44.65,259.3 43.77,259.51 42.9,259.77 42.04,260.07 41.2,260.41 40.38,260.79 39.58,261.22 38.8,261.68 38.05,262.19 37.32,262.73 36.62,263.3 35.96,263.92 35.32,264.56 34.72,265.23 34.15,265.94 33.62,266.67 33.13,267.43 32.67,268.21 32.26,269.01 31.89,269.84 31.56,270.68 31.27,271.53 31.03,272.4 30.83,273.28 30.68,274.17 30.57,275.06 30.51,275.96 30.49,276.86 30.52,277.76 30.6,278.66 30.72,279.55 30.88,280.43 31.09,281.31 31.34,282.17 31.64,283.02 31.98,283.85 32.36,284.66 32.78,285.45 33.24,286.22 33.74,286.97 34.27,287.69 34.84,288.38 35.45,289.04 36.08,289.67 36.75,290.26 37.45,290.83 38.17,291.35 38.92,291.84 39.7,292.29 40.49,292.69 41.31,293.06 42.14,293.39 42.99,293.67 43.85,293.91 44.72,294.11 45.59,294.26 46.48,294.37 47.37,294.43 48.26,294.44 49.15,294.42 50.04,294.34 50.92,294.22 51.8,294.06 52.66,293.85 53.51,293.6 54.35,293.31 55.18,292.98 55.98,292.6 56.77,292.18 57.53,291.73 58.27,291.23 58.98,290.71 59.66,290.14 60.31,289.54 60.94,288.91 61.53,288.25 62.08,287.56 62.6,286.84 63.08,286.1 63.53,285.33 63.93,284.55 64.3,283.74 64.62,282.92 64.9,282.08 65.14,281.23 65.33,280.37 65.48,279.5 65.59,278.62 65.65,277.74 65.66,276.86 65.63,275.98 65.56,275.1 65.44,274.23 65.28,273.36 65.08,272.51 64.83,271.66 64.54,270.83 64.21,270.02 63.84,269.22 63.42,268.44 62.97,267.69 62.49,266.96 61.96,266.25 61.4,265.58 60.81,264.93 60.19,264.31 59.53,263.73 58.85,263.18 58.14,262.67 57.4,262.19 56.65,261.75 55.87,261.35 55.07,260.99 54.26,260.67 53.43,260.4 52.58,260.16 51.73,259.97 50.87,259.82 50,259.72 49.13,259.66 48.26,259.64 47.36,259.67 46.46,259.75 45.57,259.87 44.68,260.04 43.81,260.26 42.95,260.52 42.1,260.82 41.28,261.17 40.47,261.56 39.68,262 38.92,262.47 38.18,262.99 37.47,263.54 36.79,264.13 36.15,264.75 35.53,265.4 34.96,266.09 34.42,266.8 33.91,267.54 33.45,268.31 33.03,269.1 32.65,269.91 32.31,270.74 